# KiCad board panel.kicad_pcb (continued)
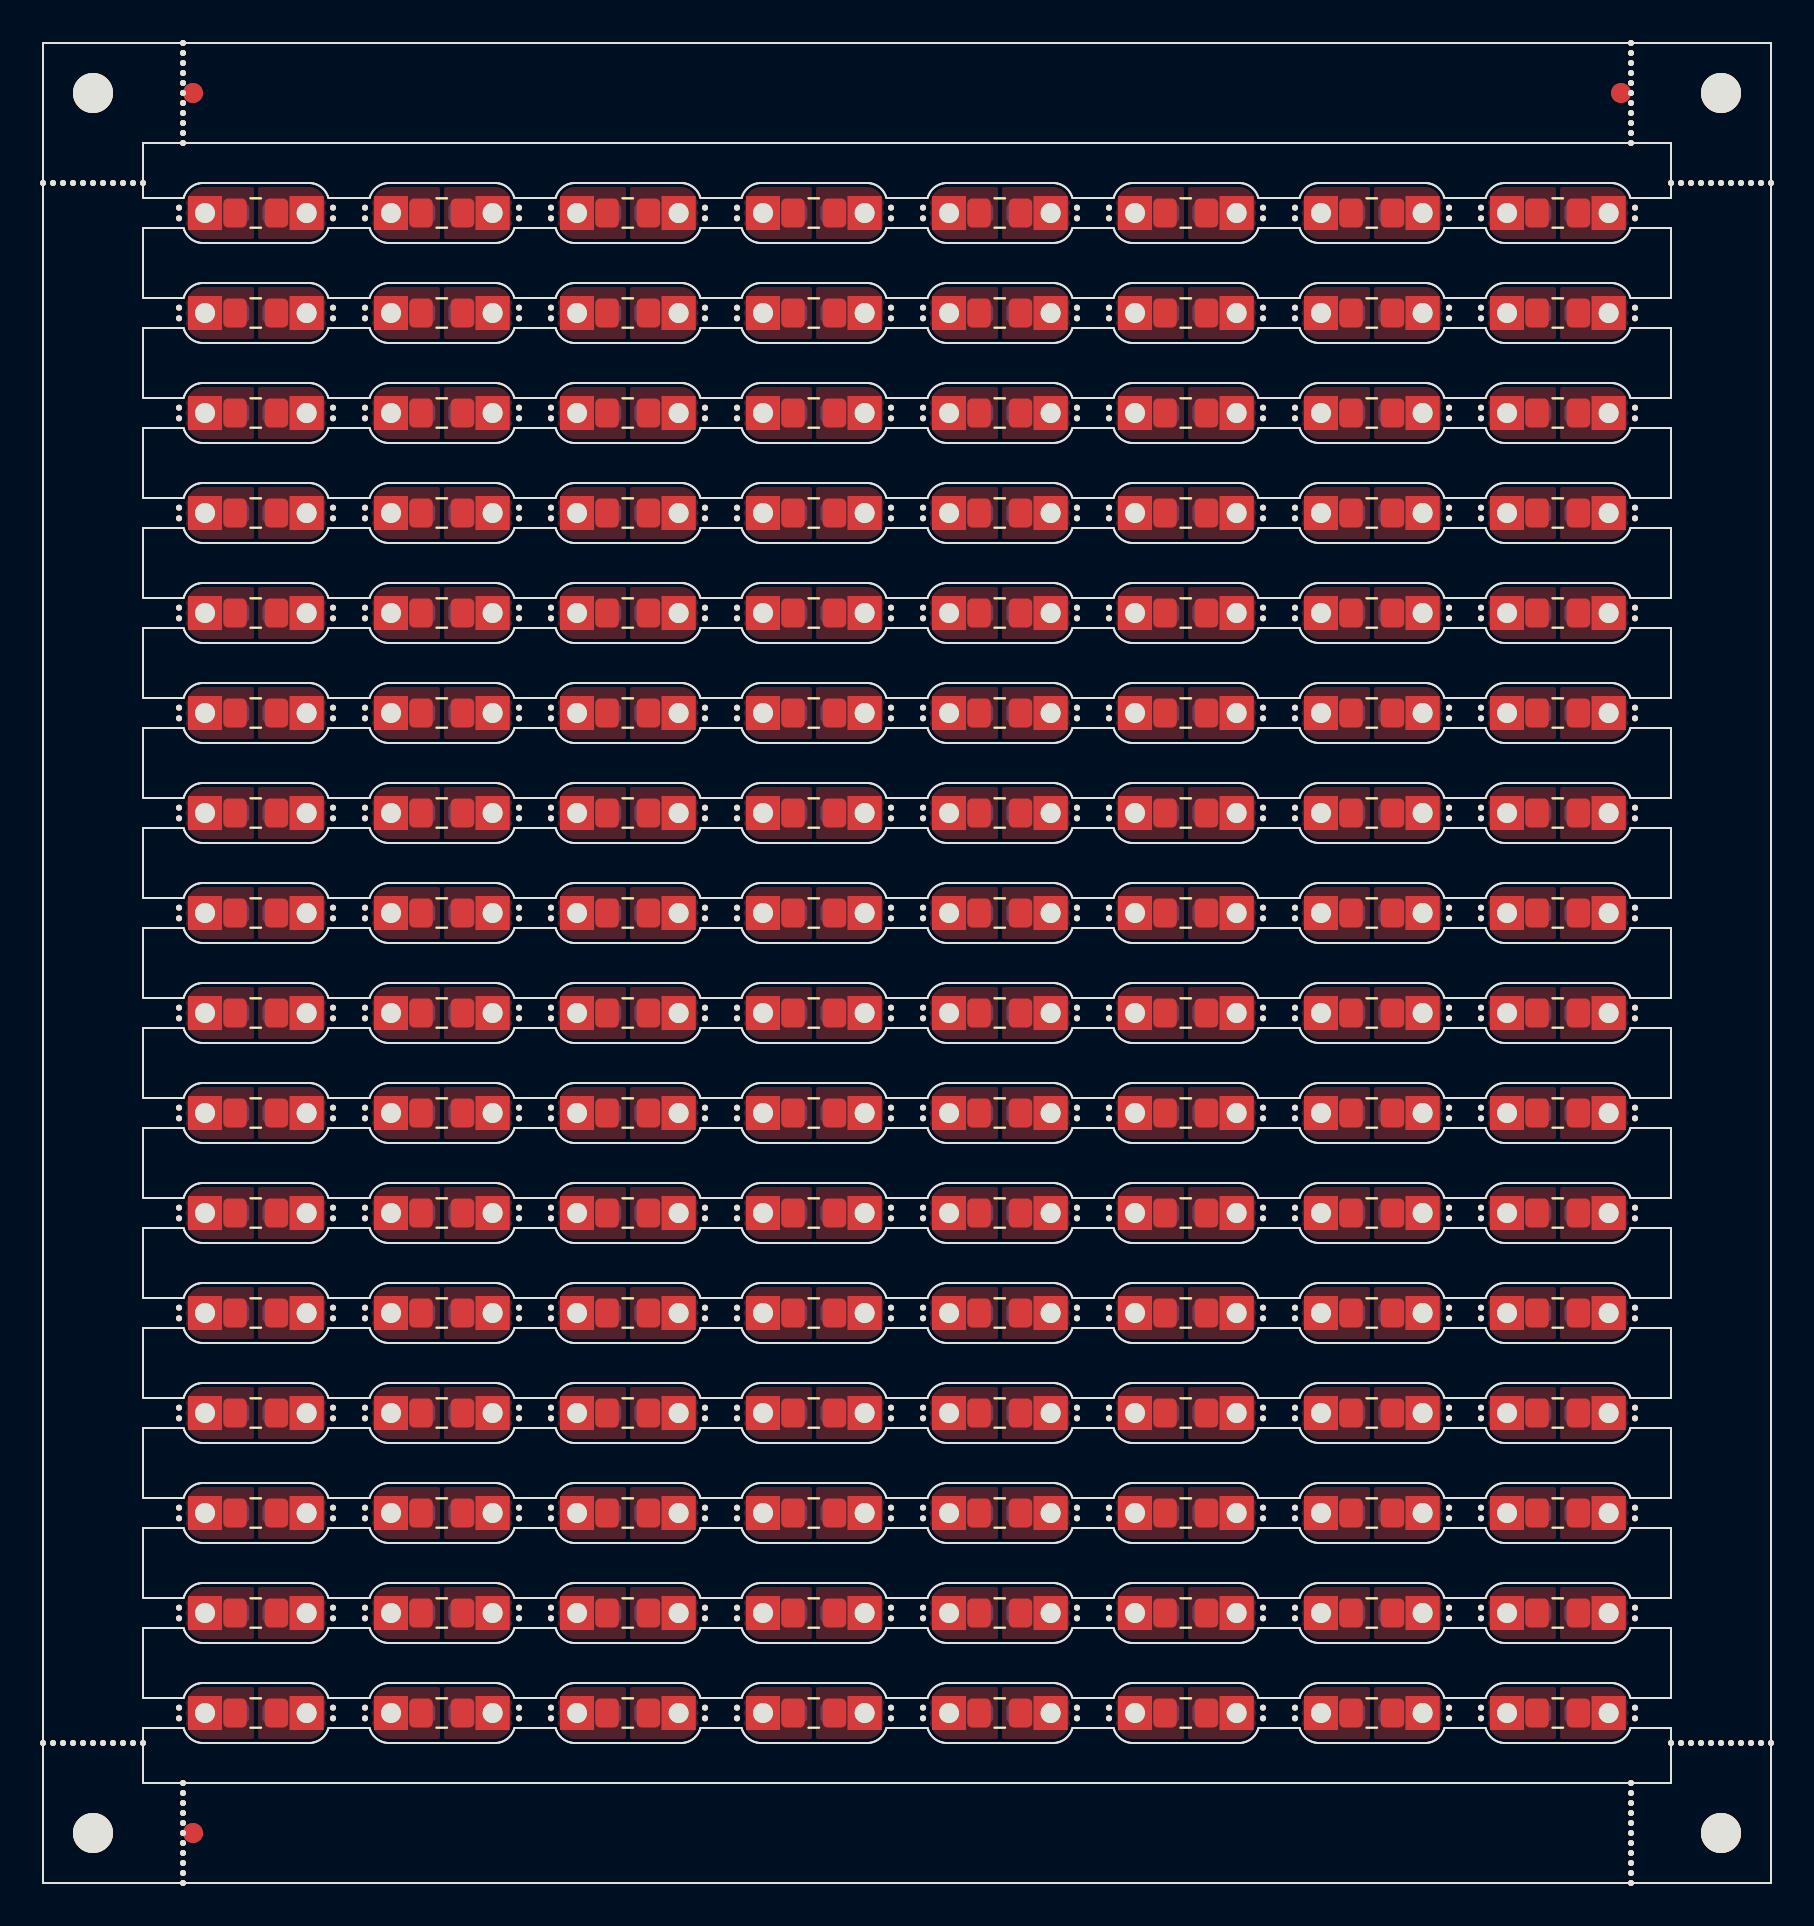
[diagram p0: board, top side]
## Placement (name value [footprint] x y rotation side) (continued)
KiKit_MB_141_3  -  [NPTH]  62.6 43.77 0 top
KiKit_MB_142_2  -  [NPTH]  70.3 43.77 0 top
KiKit_MB_142_3  -  [NPTH]  70.3 43.23 0 top
KiKit_MB_143_2  -  [NPTH]  71.9 43.23 0 top
KiKit_MB_143_3  -  [NPTH]  71.9 43.77 0 top
KiKit_MB_144_2  -  [NPTH]  79.6 43.77 0 top
KiKit_MB_144_3  -  [NPTH]  79.6 43.23 0 top
KiKit_MB_145_2  -  [NPTH]  6.8 38.23 0 top
KiKit_MB_145_3  -  [NPTH]  6.8 38.77 0 top
KiKit_MB_146_2  -  [NPTH]  14.5 38.77 0 top
KiKit_MB_146_3  -  [NPTH]  14.5 38.23 0 top
KiKit_MB_147_2  -  [NPTH]  16.1 38.23 0 top
KiKit_MB_147_3  -  [NPTH]  16.1 38.77 0 top
KiKit_MB_148_2  -  [NPTH]  23.8 38.77 0 top
KiKit_MB_148_3  -  [NPTH]  23.8 38.23 0 top
KiKit_MB_149_2  -  [NPTH]  25.4 38.23 0 top
KiKit_MB_149_3  -  [NPTH]  25.4 38.77 0 top
KiKit_MB_150_2  -  [NPTH]  33.1 38.77 0 top
KiKit_MB_150_3  -  [NPTH]  33.1 38.23 0 top
KiKit_MB_151_2  -  [NPTH]  34.7 38.23 0 top
KiKit_MB_151_3  -  [NPTH]  34.7 38.77 0 top
KiKit_MB_152_2  -  [NPTH]  42.4 38.77 0 top
KiKit_MB_152_3  -  [NPTH]  42.4 38.23 0 top
KiKit_MB_153_2  -  [NPTH]  44 38.23 0 top
KiKit_MB_153_3  -  [NPTH]  44 38.77 0 top
KiKit_MB_154_2  -  [NPTH]  51.7 38.77 0 top
KiKit_MB_154_3  -  [NPTH]  51.7 38.23 0 top
KiKit_MB_155_2  -  [NPTH]  53.3 38.23 0 top
KiKit_MB_155_3  -  [NPTH]  53.3 38.77 0 top
KiKit_MB_156_2  -  [NPTH]  61 38.77 0 top
KiKit_MB_156_3  -  [NPTH]  61 38.23 0 top
KiKit_MB_157_2  -  [NPTH]  62.6 38.23 0 top
KiKit_MB_157_3  -  [NPTH]  62.6 38.77 0 top
KiKit_MB_158_2  -  [NPTH]  70.3 38.77 0 top
KiKit_MB_158_3  -  [NPTH]  70.3 38.23 0 top
KiKit_MB_159_2  -  [NPTH]  71.9 38.23 0 top
KiKit_MB_159_3  -  [NPTH]  71.9 38.77 0 top
KiKit_MB_160_2  -  [NPTH]  79.6 38.77 0 top
KiKit_MB_160_3  -  [NPTH]  79.6 38.23 0 top
KiKit_MB_161_2  -  [NPTH]  6.8 33.23 0 top
KiKit_MB_161_3  -  [NPTH]  6.8 33.77 0 top
KiKit_MB_162_2  -  [NPTH]  14.5 33.77 0 top
KiKit_MB_162_3  -  [NPTH]  14.5 33.23 0 top
KiKit_MB_163_2  -  [NPTH]  16.1 33.23 0 top
KiKit_MB_163_3  -  [NPTH]  16.1 33.77 0 top
KiKit_MB_164_2  -  [NPTH]  23.8 33.77 0 top
KiKit_MB_164_3  -  [NPTH]  23.8 33.23 0 top
KiKit_MB_165_2  -  [NPTH]  25.4 33.23 0 top
KiKit_MB_165_3  -  [NPTH]  25.4 33.77 0 top
KiKit_MB_166_2  -  [NPTH]  33.1 33.77 0 top
KiKit_MB_166_3  -  [NPTH]  33.1 33.23 0 top
KiKit_MB_167_2  -  [NPTH]  34.7 33.23 0 top
KiKit_MB_167_3  -  [NPTH]  34.7 33.77 0 top
KiKit_MB_168_2  -  [NPTH]  42.4 33.77 0 top
KiKit_MB_168_3  -  [NPTH]  42.4 33.23 0 top
KiKit_MB_169_2  -  [NPTH]  44 33.23 0 top
KiKit_MB_169_3  -  [NPTH]  44 33.77 0 top
KiKit_MB_170_2  -  [NPTH]  51.7 33.77 0 top
KiKit_MB_170_3  -  [NPTH]  51.7 33.23 0 top
KiKit_MB_171_2  -  [NPTH]  53.3 33.23 0 top
KiKit_MB_171_3  -  [NPTH]  53.3 33.77 0 top
KiKit_MB_172_2  -  [NPTH]  61 33.77 0 top
KiKit_MB_172_3  -  [NPTH]  61 33.23 0 top
KiKit_MB_173_2  -  [NPTH]  62.6 33.23 0 top
KiKit_MB_173_3  -  [NPTH]  62.6 33.77 0 top
KiKit_MB_174_2  -  [NPTH]  70.3 33.77 0 top
KiKit_MB_174_3  -  [NPTH]  70.3 33.23 0 top
KiKit_MB_175_2  -  [NPTH]  71.9 33.23 0 top
KiKit_MB_175_3  -  [NPTH]  71.9 33.77 0 top
KiKit_MB_176_2  -  [NPTH]  79.6 33.77 0 top
KiKit_MB_176_3  -  [NPTH]  79.6 33.23 0 top
KiKit_MB_177_2  -  [NPTH]  6.8 28.23 0 top
KiKit_MB_177_3  -  [NPTH]  6.8 28.77 0 top
KiKit_MB_178_2  -  [NPTH]  14.5 28.77 0 top
KiKit_MB_178_3  -  [NPTH]  14.5 28.23 0 top
KiKit_MB_179_2  -  [NPTH]  16.1 28.23 0 top
KiKit_MB_179_3  -  [NPTH]  16.1 28.77 0 top
KiKit_MB_180_2  -  [NPTH]  23.8 28.77 0 top
KiKit_MB_180_3  -  [NPTH]  23.8 28.23 0 top
KiKit_MB_181_2  -  [NPTH]  25.4 28.23 0 top
KiKit_MB_181_3  -  [NPTH]  25.4 28.77 0 top
KiKit_MB_182_2  -  [NPTH]  33.1 28.77 0 top
KiKit_MB_182_3  -  [NPTH]  33.1 28.23 0 top
KiKit_MB_183_2  -  [NPTH]  34.7 28.23 0 top
KiKit_MB_183_3  -  [NPTH]  34.7 28.77 0 top
KiKit_MB_184_2  -  [NPTH]  42.4 28.77 0 top
KiKit_MB_184_3  -  [NPTH]  42.4 28.23 0 top
KiKit_MB_185_2  -  [NPTH]  44 28.23 0 top
KiKit_MB_185_3  -  [NPTH]  44 28.77 0 top
KiKit_MB_186_2  -  [NPTH]  51.7 28.77 0 top
KiKit_MB_186_3  -  [NPTH]  51.7 28.23 0 top
KiKit_MB_187_2  -  [NPTH]  53.3 28.23 0 top
KiKit_MB_187_3  -  [NPTH]  53.3 28.77 0 top
KiKit_MB_188_2  -  [NPTH]  61 28.77 0 top
KiKit_MB_188_3  -  [NPTH]  61 28.23 0 top
KiKit_MB_189_2  -  [NPTH]  62.6 28.23 0 top
KiKit_MB_189_3  -  [NPTH]  62.6 28.77 0 top
KiKit_MB_190_2  -  [NPTH]  70.3 28.77 0 top
KiKit_MB_190_3  -  [NPTH]  70.3 28.23 0 top
KiKit_MB_191_2  -  [NPTH]  71.9 28.23 0 top
KiKit_MB_191_3  -  [NPTH]  71.9 28.77 0 top
KiKit_MB_192_2  -  [NPTH]  79.6 28.77 0 top
KiKit_MB_192_3  -  [NPTH]  79.6 28.23 0 top
KiKit_MB_193_2  -  [NPTH]  6.8 23.23 0 top
KiKit_MB_193_3  -  [NPTH]  6.8 23.77 0 top
KiKit_MB_194_2  -  [NPTH]  14.5 23.77 0 top
KiKit_MB_194_3  -  [NPTH]  14.5 23.23 0 top
KiKit_MB_195_2  -  [NPTH]  16.1 23.23 0 top
KiKit_MB_195_3  -  [NPTH]  16.1 23.77 0 top
KiKit_MB_196_2  -  [NPTH]  23.8 23.77 0 top
KiKit_MB_196_3  -  [NPTH]  23.8 23.23 0 top
KiKit_MB_197_2  -  [NPTH]  25.4 23.23 0 top
KiKit_MB_197_3  -  [NPTH]  25.4 23.77 0 top
KiKit_MB_198_2  -  [NPTH]  33.1 23.77 0 top
KiKit_MB_198_3  -  [NPTH]  33.1 23.23 0 top
KiKit_MB_199_2  -  [NPTH]  34.7 23.23 0 top
KiKit_MB_199_3  -  [NPTH]  34.7 23.77 0 top
KiKit_MB_200_2  -  [NPTH]  42.4 23.77 0 top
KiKit_MB_200_3  -  [NPTH]  42.4 23.23 0 top
KiKit_MB_201_2  -  [NPTH]  44 23.23 0 top
KiKit_MB_201_3  -  [NPTH]  44 23.77 0 top
KiKit_MB_202_2  -  [NPTH]  51.7 23.77 0 top
KiKit_MB_202_3  -  [NPTH]  51.7 23.23 0 top
KiKit_MB_203_2  -  [NPTH]  53.3 23.23 0 top
KiKit_MB_203_3  -  [NPTH]  53.3 23.77 0 top
KiKit_MB_204_2  -  [NPTH]  61 23.77 0 top
KiKit_MB_204_3  -  [NPTH]  61 23.23 0 top
KiKit_MB_205_2  -  [NPTH]  62.6 23.23 0 top
KiKit_MB_205_3  -  [NPTH]  62.6 23.77 0 top
KiKit_MB_206_2  -  [NPTH]  70.3 23.77 0 top
KiKit_MB_206_3  -  [NPTH]  70.3 23.23 0 top
KiKit_MB_207_2  -  [NPTH]  71.9 23.23 0 top
KiKit_MB_207_3  -  [NPTH]  71.9 23.77 0 top
KiKit_MB_208_2  -  [NPTH]  79.6 23.77 0 top
KiKit_MB_208_3  -  [NPTH]  79.6 23.23 0 top
KiKit_MB_209_2  -  [NPTH]  6.8 18.23 0 top
KiKit_MB_209_3  -  [NPTH]  6.8 18.77 0 top
KiKit_MB_210_2  -  [NPTH]  14.5 18.77 0 top
KiKit_MB_210_3  -  [NPTH]  14.5 18.23 0 top
KiKit_MB_211_2  -  [NPTH]  16.1 18.23 0 top
KiKit_MB_211_3  -  [NPTH]  16.1 18.77 0 top
KiKit_MB_212_2  -  [NPTH]  23.8 18.77 0 top
KiKit_MB_212_3  -  [NPTH]  23.8 18.23 0 top
KiKit_MB_213_2  -  [NPTH]  25.4 18.23 0 top
KiKit_MB_213_3  -  [NPTH]  25.4 18.77 0 top
KiKit_MB_214_2  -  [NPTH]  33.1 18.77 0 top
KiKit_MB_214_3  -  [NPTH]  33.1 18.23 0 top
KiKit_MB_215_2  -  [NPTH]  34.7 18.23 0 top
KiKit_MB_215_3  -  [NPTH]  34.7 18.77 0 top
KiKit_MB_216_2  -  [NPTH]  42.4 18.77 0 top
KiKit_MB_216_3  -  [NPTH]  42.4 18.23 0 top
KiKit_MB_217_2  -  [NPTH]  44 18.23 0 top
KiKit_MB_217_3  -  [NPTH]  44 18.77 0 top
KiKit_MB_218_2  -  [NPTH]  51.7 18.77 0 top
KiKit_MB_218_3  -  [NPTH]  51.7 18.23 0 top
KiKit_MB_219_2  -  [NPTH]  53.3 18.23 0 top
KiKit_MB_219_3  -  [NPTH]  53.3 18.77 0 top
KiKit_MB_220_2  -  [NPTH]  61 18.77 0 top
KiKit_MB_220_3  -  [NPTH]  61 18.23 0 top
KiKit_MB_221_2  -  [NPTH]  62.6 18.23 0 top
KiKit_MB_221_3  -  [NPTH]  62.6 18.77 0 top
KiKit_MB_222_2  -  [NPTH]  70.3 18.77 0 top
KiKit_MB_222_3  -  [NPTH]  70.3 18.23 0 top
KiKit_MB_223_2  -  [NPTH]  71.9 18.23 0 top
KiKit_MB_223_3  -  [NPTH]  71.9 18.77 0 top
KiKit_MB_224_2  -  [NPTH]  79.6 18.77 0 top
KiKit_MB_224_3  -  [NPTH]  79.6 18.23 0 top
KiKit_MB_225_2  -  [NPTH]  6.8 13.23 0 top
KiKit_MB_225_3  -  [NPTH]  6.8 13.77 0 top
KiKit_MB_226_2  -  [NPTH]  14.5 13.77 0 top
KiKit_MB_226_3  -  [NPTH]  14.5 13.23 0 top
KiKit_MB_227_2  -  [NPTH]  16.1 13.23 0 top
KiKit_MB_227_3  -  [NPTH]  16.1 13.77 0 top
KiKit_MB_228_2  -  [NPTH]  23.8 13.77 0 top
KiKit_MB_228_3  -  [NPTH]  23.8 13.23 0 top
KiKit_MB_229_2  -  [NPTH]  25.4 13.23 0 top
KiKit_MB_229_3  -  [NPTH]  25.4 13.77 0 top
KiKit_MB_230_2  -  [NPTH]  33.1 13.77 0 top
KiKit_MB_230_3  -  [NPTH]  33.1 13.23 0 top
KiKit_MB_231_2  -  [NPTH]  34.7 13.23 0 top
KiKit_MB_231_3  -  [NPTH]  34.7 13.77 0 top
KiKit_MB_232_2  -  [NPTH]  42.4 13.77 0 top
KiKit_MB_232_3  -  [NPTH]  42.4 13.23 0 top
KiKit_MB_233_2  -  [NPTH]  44 13.23 0 top
KiKit_MB_233_3  -  [NPTH]  44 13.77 0 top
KiKit_MB_234_2  -  [NPTH]  51.7 13.77 0 top
KiKit_MB_234_3  -  [NPTH]  51.7 13.23 0 top
KiKit_MB_235_2  -  [NPTH]  53.3 13.23 0 top
KiKit_MB_235_3  -  [NPTH]  53.3 13.77 0 top
KiKit_MB_236_2  -  [NPTH]  61 13.77 0 top
KiKit_MB_236_3  -  [NPTH]  61 13.23 0 top
KiKit_MB_237_2  -  [NPTH]  62.6 13.23 0 top
KiKit_MB_237_3  -  [NPTH]  62.6 13.77 0 top
KiKit_MB_238_2  -  [NPTH]  70.3 13.77 0 top
KiKit_MB_238_3  -  [NPTH]  70.3 13.23 0 top
KiKit_MB_239_2  -  [NPTH]  71.9 13.23 0 top
KiKit_MB_239_3  -  [NPTH]  71.9 13.77 0 top
KiKit_MB_240_2  -  [NPTH]  79.6 13.77 0 top
KiKit_MB_240_3  -  [NPTH]  79.6 13.23 0 top
KiKit_MB_241_2  -  [NPTH]  6.8 8.23 0 top
KiKit_MB_241_3  -  [NPTH]  6.8 8.77 0 top
KiKit_MB_242_2  -  [NPTH]  14.5 8.77 0 top
KiKit_MB_242_3  -  [NPTH]  14.5 8.23 0 top
KiKit_MB_243_2  -  [NPTH]  16.1 8.23 0 top
KiKit_MB_243_3  -  [NPTH]  16.1 8.77 0 top
KiKit_MB_244_2  -  [NPTH]  23.8 8.77 0 top
KiKit_MB_244_3  -  [NPTH]  23.8 8.23 0 top
KiKit_MB_245_2  -  [NPTH]  25.4 8.23 0 top
KiKit_MB_245_3  -  [NPTH]  25.4 8.77 0 top
KiKit_MB_246_2  -  [NPTH]  33.1 8.77 0 top
KiKit_MB_246_3  -  [NPTH]  33.1 8.23 0 top
KiKit_MB_247_2  -  [NPTH]  34.7 8.23 0 top
KiKit_MB_247_3  -  [NPTH]  34.7 8.77 0 top
KiKit_MB_248_2  -  [NPTH]  42.4 8.77 0 top
KiKit_MB_248_3  -  [NPTH]  42.4 8.23 0 top
KiKit_MB_249_2  -  [NPTH]  44 8.23 0 top
KiKit_MB_249_3  -  [NPTH]  44 8.77 0 top
KiKit_MB_250_2  -  [NPTH]  51.7 8.77 0 top
KiKit_MB_250_3  -  [NPTH]  51.7 8.23 0 top
KiKit_MB_251_2  -  [NPTH]  53.3 8.23 0 top
KiKit_MB_251_3  -  [NPTH]  53.3 8.77 0 top
KiKit_MB_252_2  -  [NPTH]  61 8.77 0 top
KiKit_MB_252_3  -  [NPTH]  61 8.23 0 top
KiKit_MB_253_2  -  [NPTH]  62.6 8.23 0 top
KiKit_MB_253_3  -  [NPTH]  62.6 8.77 0 top
KiKit_MB_254_2  -  [NPTH]  70.3 8.77 0 top
KiKit_MB_254_3  -  [NPTH]  70.3 8.23 0 top
KiKit_MB_255_2  -  [NPTH]  71.9 8.23 0 top
KiKit_MB_255_3  -  [NPTH]  71.9 8.77 0 top
KiKit_MB_256_2  -  [NPTH]  79.6 8.77 0 top
KiKit_MB_256_3  -  [NPTH]  79.6 8.23 0 top
KiKit_MB_257_1  -  [NPTH]  7 92 0 top
KiKit_MB_257_2  -  [NPTH]  7 91.5 0 top
KiKit_MB_257_3  -  [NPTH]  7 91 0 top
KiKit_MB_257_4  -  [NPTH]  7 90.5 0 top
KiKit_MB_257_5  -  [NPTH]  7 90 0 top
KiKit_MB_257_6  -  [NPTH]  7 89.5 0 top
KiKit_MB_257_7  -  [NPTH]  7 89 0 top
KiKit_MB_257_8  -  [NPTH]  7 88.5 0 top
KiKit_MB_257_9  -  [NPTH]  7 88 0 top
KiKit_MB_257_10  -  [NPTH]  7 87.5 0 top
KiKit_MB_257_11  -  [NPTH]  7 87 0 top
KiKit_MB_258_1  -  [NPTH]  79.4 92 0 top
KiKit_MB_258_2  -  [NPTH]  79.4 91.5 0 top
KiKit_MB_258_3  -  [NPTH]  79.4 91 0 top
KiKit_MB_258_4  -  [NPTH]  79.4 90.5 0 top
KiKit_MB_258_5  -  [NPTH]  79.4 90 0 top
KiKit_MB_258_6  -  [NPTH]  79.4 89.5 0 top
KiKit_MB_258_7  -  [NPTH]  79.4 89 0 top
KiKit_MB_258_8  -  [NPTH]  79.4 88.5 0 top
KiKit_MB_258_9  -  [NPTH]  79.4 88 0 top
KiKit_MB_258_10  -  [NPTH]  79.4 87.5 0 top
KiKit_MB_258_11  -  [NPTH]  79.4 87 0 top
KiKit_MB_259_1  -  [NPTH]  7 5 0 top
KiKit_MB_259_2  -  [NPTH]  7 4.5 0 top
KiKit_MB_259_3  -  [NPTH]  7 4 0 top
KiKit_MB_259_4  -  [NPTH]  7 3.5 0 top
KiKit_MB_259_5  -  [NPTH]  7 3 0 top
KiKit_MB_259_6  -  [NPTH]  7 2.5 0 top
KiKit_MB_259_7  -  [NPTH]  7 2 0 top
KiKit_MB_259_8  -  [NPTH]  7 1.5 0 top
KiKit_MB_259_9  -  [NPTH]  7 1 0 top
KiKit_MB_259_10  -  [NPTH]  7 0.5 0 top
KiKit_MB_259_11  -  [NPTH]  7 0 0 top
KiKit_MB_260_1  -  [NPTH]  79.4 5 0 top
KiKit_MB_260_2  -  [NPTH]  79.4 4.5 0 top
KiKit_MB_260_3  -  [NPTH]  79.4 4 0 top
KiKit_MB_260_4  -  [NPTH]  79.4 3.5 0 top
KiKit_MB_260_5  -  [NPTH]  79.4 3 0 top
KiKit_MB_260_6  -  [NPTH]  79.4 2.5 0 top
KiKit_MB_260_7  -  [NPTH]  79.4 2 0 top
KiKit_MB_260_8  -  [NPTH]  79.4 1.5 0 top
KiKit_MB_260_9  -  [NPTH]  79.4 1 0 top
KiKit_MB_260_10  -  [NPTH]  79.4 0.5 0 top
KiKit_MB_260_11  -  [NPTH]  79.4 0 0 top
KiKit_MB_261_1  -  [NPTH]  0 85 0 top
KiKit_MB_261_2  -  [NPTH]  0.5 85 0 top
KiKit_MB_261_3  -  [NPTH]  1 85 0 top
KiKit_MB_261_4  -  [NPTH]  1.5 85 0 top
KiKit_MB_261_5  -  [NPTH]  2 85 0 top
KiKit_MB_261_6  -  [NPTH]  2.5 85 0 top
KiKit_MB_261_7  -  [NPTH]  3 85 0 top
KiKit_MB_261_8  -  [NPTH]  3.5 85 0 top
KiKit_MB_261_9  -  [NPTH]  4 85 0 top
KiKit_MB_261_10  -  [NPTH]  4.5 85 0 top
KiKit_MB_261_11  -  [NPTH]  5 85 0 top
KiKit_MB_262_1  -  [NPTH]  0 7 0 top
KiKit_MB_262_2  -  [NPTH]  0.5 7 0 top
KiKit_MB_262_3  -  [NPTH]  1 7 0 top
KiKit_MB_262_4  -  [NPTH]  1.5 7 0 top
KiKit_MB_262_5  -  [NPTH]  2 7 0 top
KiKit_MB_262_6  -  [NPTH]  2.5 7 0 top
KiKit_MB_262_7  -  [NPTH]  3 7 0 top
KiKit_MB_262_8  -  [NPTH]  3.5 7 0 top
KiKit_MB_262_9  -  [NPTH]  4 7 0 top
KiKit_MB_262_10  -  [NPTH]  4.5 7 0 top
KiKit_MB_262_11  -  [NPTH]  5 7 0 top
KiKit_MB_263_1  -  [NPTH]  81.4 85 0 top
KiKit_MB_263_2  -  [NPTH]  81.9 85 0 top
KiKit_MB_263_3  -  [NPTH]  82.4 85 0 top
KiKit_MB_263_4  -  [NPTH]  82.9 85 0 top
KiKit_MB_263_5  -  [NPTH]  83.4 85 0 top
KiKit_MB_263_6  -  [NPTH]  83.9 85 0 top
KiKit_MB_263_7  -  [NPTH]  84.4 85 0 top
KiKit_MB_263_8  -  [NPTH]  84.9 85 0 top
KiKit_MB_263_9  -  [NPTH]  85.4 85 0 top
KiKit_MB_263_10  -  [NPTH]  85.9 85 0 top
KiKit_MB_263_11  -  [NPTH]  86.4 85 0 top
KiKit_MB_264_1  -  [NPTH]  81.4 7 0 top
KiKit_MB_264_2  -  [NPTH]  81.9 7 0 top
KiKit_MB_264_3  -  [NPTH]  82.4 7 0 top
KiKit_MB_264_4  -  [NPTH]  82.9 7 0 top
KiKit_MB_264_5  -  [NPTH]  83.4 7 0 top
KiKit_MB_264_6  -  [NPTH]  83.9 7 0 top
KiKit_MB_264_7  -  [NPTH]  84.4 7 0 top
KiKit_MB_264_8  -  [NPTH]  84.9 7 0 top
KiKit_MB_264_9  -  [NPTH]  85.4 7 0 top
KiKit_MB_264_10  -  [NPTH]  85.9 7 0 top
KiKit_MB_264_11  -  [NPTH]  86.4 7 0 top
KiKit_TO_1  -  [NPTH#2]  2.5 89.5 0 top
KiKit_TO_2  -  [NPTH#2]  83.9 89.5 0 top
KiKit_TO_3  -  [NPTH#2]  2.5 2.5 0 top
KiKit_TO_4  -  [NPTH#2]  83.9 2.5 0 top

## Library data of the parts
C1 C1#2-C1#128 C2 C2#2-C2#128 = -: Description: Unpolarized capacitor, small symbol
J1 J1#2-J1#128 J2 J2#2-J2#128 = -: Description: Generic connector, single row, 01x01, script generated (kicad-library-utils/schlib/autogen/connector/)

## Footprints (pads in the part's own frame, mm; a bottom-side part is the same pattern mirrored in y, then rotated)
C_0603_1608Metric_Pad1.08x0.95mm_HandSolder
  rrect 1.075x0.95 smd: 1(-0.863,0) 2(0.863,0)
C_0805_2012Metric_Pad1.18x1.45mm_HandSolder
  rrect 1.175x1.45 smd: 1(-1.038,0) 2(1.038,0)
Fiducial
  round 1 smd: (0,0)
NPTH
  round 0.3 hole 0.3 unplated: (0,0)
NPTH#2
  round 2 hole 2 unplated: (0,0)
PinHeader_1x01_P2.54mm_Vertical
  rect 1.7x1.7 hole 1: 1(0,0)

## Nets
Board_0-Net-(J1-Pin_1): C1#12.1 C2#59.1 J1#8.1
Board_0-Net-(J2-Pin_1): C1#12.2 C2#59.2 J2#88.1
Board_1-Net-(J1-Pin_1): C1#75.1 C2#27.1 J1#83.1
Board_1-Net-(J2-Pin_1): C1#75.2 C2#27.2 J2#35.1
Board_2-Net-(J1-Pin_1): C1#13.1 C2#20.1 J1#80.1
Board_2-Net-(J2-Pin_1): C1#13.2 C2#20.2 J2#52.1
Board_3-Net-(J1-Pin_1): C1#115.1 C2#77.1 J1#50.1
Board_3-Net-(J2-Pin_1): C1#115.2 C2#77.2 J2#4.1
Board_4-Net-(J1-Pin_1): C1#54.1 C2#30.1 J1#125.1
Board_4-Net-(J2-Pin_1): C1#54.2 C2#30.2 J2#106.1
Board_5-Net-(J1-Pin_1): C1#56.1 C2#114.1 J1#59.1
Board_5-Net-(J2-Pin_1): C1#56.2 C2#114.2 J2#51.1
Board_6-Net-(J1-Pin_1): C1#39.1 C2#43.1 J1#82.1
Board_6-Net-(J2-Pin_1): C1#39.2 C2#43.2 J2#73.1
Board_7-Net-(J1-Pin_1): C1#48.1 C2#105.1 J1#111.1
Board_7-Net-(J2-Pin_1): C1#48.2 C2#105.2 J2#18.1
Board_8-Net-(J1-Pin_1): C1#118.1 C2#50.1 J1#55.1
Board_8-Net-(J2-Pin_1): C1#118.2 C2#50.2 J2#109.1
Board_9-Net-(J1-Pin_1): C1#20.1 C2#35.1 J1#23.1
Board_9-Net-(J2-Pin_1): C1#20.2 C2#35.2 J2#39.1
Board_10-Net-(J1-Pin_1): C1#81.1 C2#93.1 J1#16.1
Board_10-Net-(J2-Pin_1): C1#81.2 C2#93.2 J2#110.1
Board_11-Net-(J1-Pin_1): C1#60.1 C2#33.1 J1#47.1
Board_11-Net-(J2-Pin_1): C1#60.2 C2#33.2 J2#127.1
Board_12-Net-(J1-Pin_1): C1#49.1 C2#40.1 J1#120.1
Board_12-Net-(J2-Pin_1): C1#49.2 C2#40.2 J2#74.1
Board_13-Net-(J1-Pin_1): C1#65.1 C2#38.1 J1#45.1
Board_13-Net-(J2-Pin_1): C1#65.2 C2#38.2 J2#31.1
Board_14-Net-(J1-Pin_1): C1#23.1 C2#121.1 J1#124.1
Board_14-Net-(J2-Pin_1): C1#23.2 C2#121.2 J2#120.1
Board_15-Net-(J1-Pin_1): C1#50.1 C2#15.1 J1#99.1
Board_15-Net-(J2-Pin_1): C1#50.2 C2#15.2 J2#25.1
Board_16-Net-(J1-Pin_1): C1#106.1 C2#110.1 J1#35.1
Board_16-Net-(J2-Pin_1): C1#106.2 C2#110.2 J2#76.1
Board_17-Net-(J1-Pin_1): C1#127.1 C2#12.1 J1#51.1
Board_17-Net-(J2-Pin_1): C1#127.2 C2#12.2 J2#79.1
Board_18-Net-(J1-Pin_1): C1#14.1 C2#71.1 J1#89.1
Board_18-Net-(J2-Pin_1): C1#14.2 C2#71.2 J2#17.1
Board_19-Net-(J1-Pin_1): C1#116.1 C2#9.1 J1#62.1
Board_19-Net-(J2-Pin_1): C1#116.2 C2#9.2 J2#54.1
Board_20-Net-(J1-Pin_1): C1#29.1 C2#6.1 J1#12.1
Board_20-Net-(J2-Pin_1): C1#29.2 C2#6.2 J2#55.1
Board_21-Net-(J1-Pin_1): C1#38.1 C2#100.1 J1#93.1
Board_21-Net-(J2-Pin_1): C1#38.2 C2#100.2 J2#15.1
Board_22-Net-(J1-Pin_1): C1#126.1 C2#28.1 J1#100.1
Board_22-Net-(J2-Pin_1): C1#126.2 C2#28.2 J2#64.1
Board_23-Net-(J1-Pin_1): C1#110.1 C2#8.1 J1#60.1
Board_23-Net-(J2-Pin_1): C1#110.2 C2#8.2 J2#48.1
Board_24-Net-(J1-Pin_1): C1#45.1 C2.1 J1#68.1
Board_24-Net-(J2-Pin_1): C1#45.2 C2.2 J2#5.1
Board_25-Net-(J1-Pin_1): C1#121.1 C2#106.1 J1#9.1
Board_25-Net-(J2-Pin_1): C1#121.2 C2#106.2 J2#128.1
Board_26-Net-(J1-Pin_1): C1#85.1 C2#95.1 J1#109.1
Board_26-Net-(J2-Pin_1): C1#85.2 C2#95.2 J2#40.1
Board_27-Net-(J1-Pin_1): C1#117.1 C2#98.1 J1#2.1
Board_27-Net-(J2-Pin_1): C1#117.2 C2#98.2 J2#84.1
Board_28-Net-(J1-Pin_1): C1#6.1 C2#78.1 J1#105.1
Board_28-Net-(J2-Pin_1): C1#6.2 C2#78.2 J2#123.1
Board_29-Net-(J1-Pin_1): C1#74.1 C2#24.1 J1#123.1
Board_29-Net-(J2-Pin_1): C1#74.2 C2#24.2 J2#111.1
Board_30-Net-(J1-Pin_1): C1#52.1 C2#58.1 J1#53.1
Board_30-Net-(J2-Pin_1): C1#52.2 C2#58.2 J2#63.1
Board_31-Net-(J1-Pin_1): C1#91.1 C2#108.1 J1#122.1
Board_31-Net-(J2-Pin_1): C1#91.2 C2#108.2 J2#99.1
Board_32-Net-(J1-Pin_1): C1#108.1 C2#4.1 J1#41.1
Board_32-Net-(J2-Pin_1): C1#108.2 C2#4.2 J2#62.1
Board_33-Net-(J1-Pin_1): C1#5.1 C2#111.1 J1#81.1
Board_33-Net-(J2-Pin_1): C1#5.2 C2#111.2 J2#105.1
Board_34-Net-(J1-Pin_1): C1#30.1 C2#76.1 J1#127.1
Board_34-Net-(J2-Pin_1): C1#30.2 C2#76.2 J2#100.1
Board_35-Net-(J1-Pin_1): C1#2.1 C2#119.1 J1#32.1
Board_35-Net-(J2-Pin_1): C1#2.2 C2#119.2 J2#98.1
Board_36-Net-(J1-Pin_1): C1#73.1 C2#82.1 J1#96.1
Board_36-Net-(J2-Pin_1): C1#73.2 C2#82.2 J2#3.1
Board_37-Net-(J1-Pin_1): C1#98.1 C2#122.1 J1#38.1
Board_37-Net-(J2-Pin_1): C1#98.2 C2#122.2 J2#61.1
Board_38-Net-(J1-Pin_1): C1#109.1 C2#3.1 J1#75.1
Board_38-Net-(J2-Pin_1): C1#109.2 C2#3.2 J2#102.1
Board_39-Net-(J1-Pin_1): C1#53.1 C2#118.1 J1#43.1
Board_39-Net-(J2-Pin_1): C1#53.2 C2#118.2 J2#11.1
Board_40-Net-(J1-Pin_1): C1#103.1 C2#26.1 J1#98.1
Board_40-Net-(J2-Pin_1): C1#103.2 C2#26.2 J2#104.1
Board_41-Net-(J1-Pin_1): C1#67.1 C2#63.1 J1#116.1
Board_41-Net-(J2-Pin_1): C1#67.2 C2#63.2 J2#72.1
Board_42-Net-(J1-Pin_1): C1#97.1 C2#102.1 J1#40.1
Board_42-Net-(J2-Pin_1): C1#97.2 C2#102.2 J2#24.1
Board_43-Net-(J1-Pin_1): C1#76.1 C2#48.1 J1#3.1
Board_43-Net-(J2-Pin_1): C1#76.2 C2#48.2 J2#94.1
Board_44-Net-(J1-Pin_1): C1#95.1 C2#70.1 J1#94.1
Board_44-Net-(J2-Pin_1): C1#95.2 C2#70.2 J2#71.1
Board_45-Net-(J1-Pin_1): C1#18.1 C2#18.1 J1#87.1
Board_45-Net-(J2-Pin_1): C1#18.2 C2#18.2 J2#38.1
Board_46-Net-(J1-Pin_1): C1#36.1 C2#45.1 J1#5.1
Board_46-Net-(J2-Pin_1): C1#36.2 C2#45.2 J2#9.1
Board_47-Net-(J1-Pin_1): C1#4.1 C2#29.1 J1#11.1
Board_47-Net-(J2-Pin_1): C1#4.2 C2#29.2 J2#58.1
Board_48-Net-(J1-Pin_1): C1#17.1 C2#49.1 J1#31.1
Board_48-Net-(J2-Pin_1): C1#17.2 C2#49.2 J2#95.1
Board_49-Net-(J1-Pin_1): C1#58.1 C2#126.1 J1#118.1
Board_49-Net-(J2-Pin_1): C1#58.2 C2#126.2 J2#122.1
Board_50-Net-(J1-Pin_1): C1#57.1 C2#54.1 J1#77.1
Board_50-Net-(J2-Pin_1): C1#57.2 C2#54.2 J2#118.1
Board_51-Net-(J1-Pin_1): C1#19.1 C2#101.1 J1#73.1
Board_51-Net-(J2-Pin_1): C1#19.2 C2#101.2 J2#67.1
Board_52-Net-(J1-Pin_1): C1#99.1 C2#39.1 J1#85.1
Board_52-Net-(J2-Pin_1): C1#99.2 C2#39.2 J2#44.1
Board_53-Net-(J1-Pin_1): C1#111.1 C2#73.1 J1#119.1
Board_53-Net-(J2-Pin_1): C1#111.2 C2#73.2 J2#32.1
Board_54-Net-(J1-Pin_1): C1#72.1 C2#127.1 J1#76.1
Board_54-Net-(J2-Pin_1): C1#72.2 C2#127.2 J2#85.1
Board_55-Net-(J1-Pin_1): C1#119.1 C2#17.1 J1#112.1
Board_55-Net-(J2-Pin_1): C1#119.2 C2#17.2 J2#114.1
Board_56-Net-(J1-Pin_1): C1#7.1 C2#85.1 J1#49.1
Board_56-Net-(J2-Pin_1): C1#7.2 C2#85.2 J2#47.1
Board_57-Net-(J1-Pin_1): C1#32.1 C2#89.1 J1#20.1
Board_57-Net-(J2-Pin_1): C1#32.2 C2#89.2 J2#21.1
Board_58-Net-(J1-Pin_1): C1#120.1 C2#125.1 J1#91.1
Board_58-Net-(J2-Pin_1): C1#120.2 C2#125.2 J2#14.1
Board_59-Net-(J1-Pin_1): C1#71.1 C2#81.1 J1#101.1
Board_59-Net-(J2-Pin_1): C1#71.2 C2#81.2 J2#42.1
Board_60-Net-(J1-Pin_1): C1#90.1 C2#124.1 J1#36.1
Board_60-Net-(J2-Pin_1): C1#90.2 C2#124.2 J2#33.1
Board_61-Net-(J1-Pin_1): C1#122.1 C2#51.1 J1#69.1
Board_61-Net-(J2-Pin_1): C1#122.2 C2#51.2 J2#59.1
Board_62-Net-(J1-Pin_1): C1#35.1 C2#69.1 J1#121.1
Board_62-Net-(J2-Pin_1): C1#35.2 C2#69.2 J2#92.1
Board_63-Net-(J1-Pin_1): C1#77.1 C2#52.1 J1#128.1
Board_63-Net-(J2-Pin_1): C1#77.2 C2#52.2 J2#13.1
Board_64-Net-(J1-Pin_1): C1#94.1 C2#99.1 J1#29.1
Board_64-Net-(J2-Pin_1): C1#94.2 C2#99.2 J2#103.1
Board_65-Net-(J1-Pin_1): C1#104.1 C2#96.1 J1#33.1
Board_65-Net-(J2-Pin_1): C1#104.2 C2#96.2 J2#45.1
Board_66-Net-(J1-Pin_1): C1#25.1 C2#90.1 J1#6.1
Board_66-Net-(J2-Pin_1): C1#25.2 C2#90.2 J2#60.1
Board_67-Net-(J1-Pin_1): C1#46.1 C2#91.1 J1#19.1
Board_67-Net-(J2-Pin_1): C1#46.2 C2#91.2 J2#69.1
Board_68-Net-(J1-Pin_1): C1#101.1 C2#53.1 J1#17.1
Board_68-Net-(J2-Pin_1): C1#101.2 C2#53.2 J2#12.1
Board_69-Net-(J1-Pin_1): C1#9.1 C2#68.1 J1#54.1
Board_69-Net-(J2-Pin_1): C1#9.2 C2#68.2 J2#27.1
Board_70-Net-(J1-Pin_1): C1#66.1 C2#60.1 J1#110.1
Board_70-Net-(J2-Pin_1): C1#66.2 C2#60.2 J2#101.1
Board_71-Net-(J1-Pin_1): C1#31.1 C2#120.1 J1#78.1
Board_71-Net-(J2-Pin_1): C1#31.2 C2#120.2 J2.1
Board_72-Net-(J1-Pin_1): C1#86.1 C2#41.1 J1#26.1
Board_72-Net-(J2-Pin_1): C1#86.2 C2#41.2 J2#108.1
Board_73-Net-(J1-Pin_1): C1#83.1 C2#11.1 J1#48.1
Board_73-Net-(J2-Pin_1): C1#83.2 C2#11.2 J2#29.1
Board_74-Net-(J1-Pin_1): C1#125.1 C2#23.1 J1#102.1
Board_74-Net-(J2-Pin_1): C1#125.2 C2#23.2 J2#20.1
Board_75-Net-(J1-Pin_1): C1#41.1 C2#80.1 J1#58.1
Board_75-Net-(J2-Pin_1): C1#41.2 C2#80.2 J2#96.1
Board_76-Net-(J1-Pin_1): C1#128.1 C2#31.1 J1#71.1
Board_76-Net-(J2-Pin_1): C1#128.2 C2#31.2 J2#116.1
Board_77-Net-(J1-Pin_1): C1#84.1 C2#13.1 J1#56.1
Board_77-Net-(J2-Pin_1): C1#84.2 C2#13.2 J2#19.1
Board_78-Net-(J1-Pin_1): C1#55.1 C2#10.1 J1#106.1
Board_78-Net-(J2-Pin_1): C1#55.2 C2#10.2 J2#90.1
Board_79-Net-(J1-Pin_1): C1#27.1 C2#34.1 J1#34.1
Board_79-Net-(J2-Pin_1): C1#27.2 C2#34.2 J2#26.1
Board_80-Net-(J1-Pin_1): C1#80.1 C2#113.1 J1#46.1
Board_80-Net-(J2-Pin_1): C1#80.2 C2#113.2 J2#43.1
Board_81-Net-(J1-Pin_1): C1#3.1 C2#97.1 J1#70.1
Board_81-Net-(J2-Pin_1): C1#3.2 C2#97.2 J2#46.1
Board_82-Net-(J1-Pin_1): C1#123.1 C2#115.1 J1#84.1
Board_82-Net-(J2-Pin_1): C1#123.2 C2#115.2 J2#23.1
Board_83-Net-(J1-Pin_1): C1.1 C2#92.1 J1#65.1
Board_83-Net-(J2-Pin_1): C1.2 C2#92.2 J2#37.1
Board_84-Net-(J1-Pin_1): C1#33.1 C2#22.1 J1#15.1
Board_84-Net-(J2-Pin_1): C1#33.2 C2#22.2 J2#107.1
Board_85-Net-(J1-Pin_1): C1#70.1 C2#16.1 J1#22.1
Board_85-Net-(J2-Pin_1): C1#70.2 C2#16.2 J2#93.1
Board_86-Net-(J1-Pin_1): C1#69.1 C2#32.1 J1#86.1
Board_86-Net-(J2-Pin_1): C1#69.2 C2#32.2 J2#28.1
Board_87-Net-(J1-Pin_1): C1#8.1 C2#2.1 J1#30.1
Board_87-Net-(J2-Pin_1): C1#8.2 C2#2.2 J2#77.1
Board_88-Net-(J1-Pin_1): C1#107.1 C2#61.1 J1#108.1
Board_88-Net-(J2-Pin_1): C1#107.2 C2#61.2 J2#16.1
Board_89-Net-(J1-Pin_1): C1#43.1 C2#21.1 J1#92.1
Board_89-Net-(J2-Pin_1): C1#43.2 C2#21.2 J2#112.1
Board_90-Net-(J1-Pin_1): C1#10.1 C2#36.1 J1#4.1
Board_90-Net-(J2-Pin_1): C1#10.2 C2#36.2 J2#124.1
Board_91-Net-(J1-Pin_1): C1#16.1 C2#83.1 J1#39.1
Board_91-Net-(J2-Pin_1): C1#16.2 C2#83.2 J2#87.1
Board_92-Net-(J1-Pin_1): C1#88.1 C2#64.1 J1#66.1
Board_92-Net-(J2-Pin_1): C1#88.2 C2#64.2 J2#10.1
Board_93-Net-(J1-Pin_1): C1#62.1 C2#75.1 J1#13.1
Board_93-Net-(J2-Pin_1): C1#62.2 C2#75.2 J2#68.1
Board_94-Net-(J1-Pin_1): C1#34.1 C2#94.1 J1#64.1
Board_94-Net-(J2-Pin_1): C1#34.2 C2#94.2 J2#53.1
Board_95-Net-(J1-Pin_1): C1#51.1 C2#47.1 J1#115.1
Board_95-Net-(J2-Pin_1): C1#51.2 C2#47.2 J2#36.1
Board_96-Net-(J1-Pin_1): C1#82.1 C2#7.1 J1#28.1
Board_96-Net-(J2-Pin_1): C1#82.2 C2#7.2 J2#113.1
Board_97-Net-(J1-Pin_1): C1#114.1 C2#67.1 J1#21.1